# KiCad board AMC_FMC_Carrier-PcbDoc.kicad_pcb (continued)
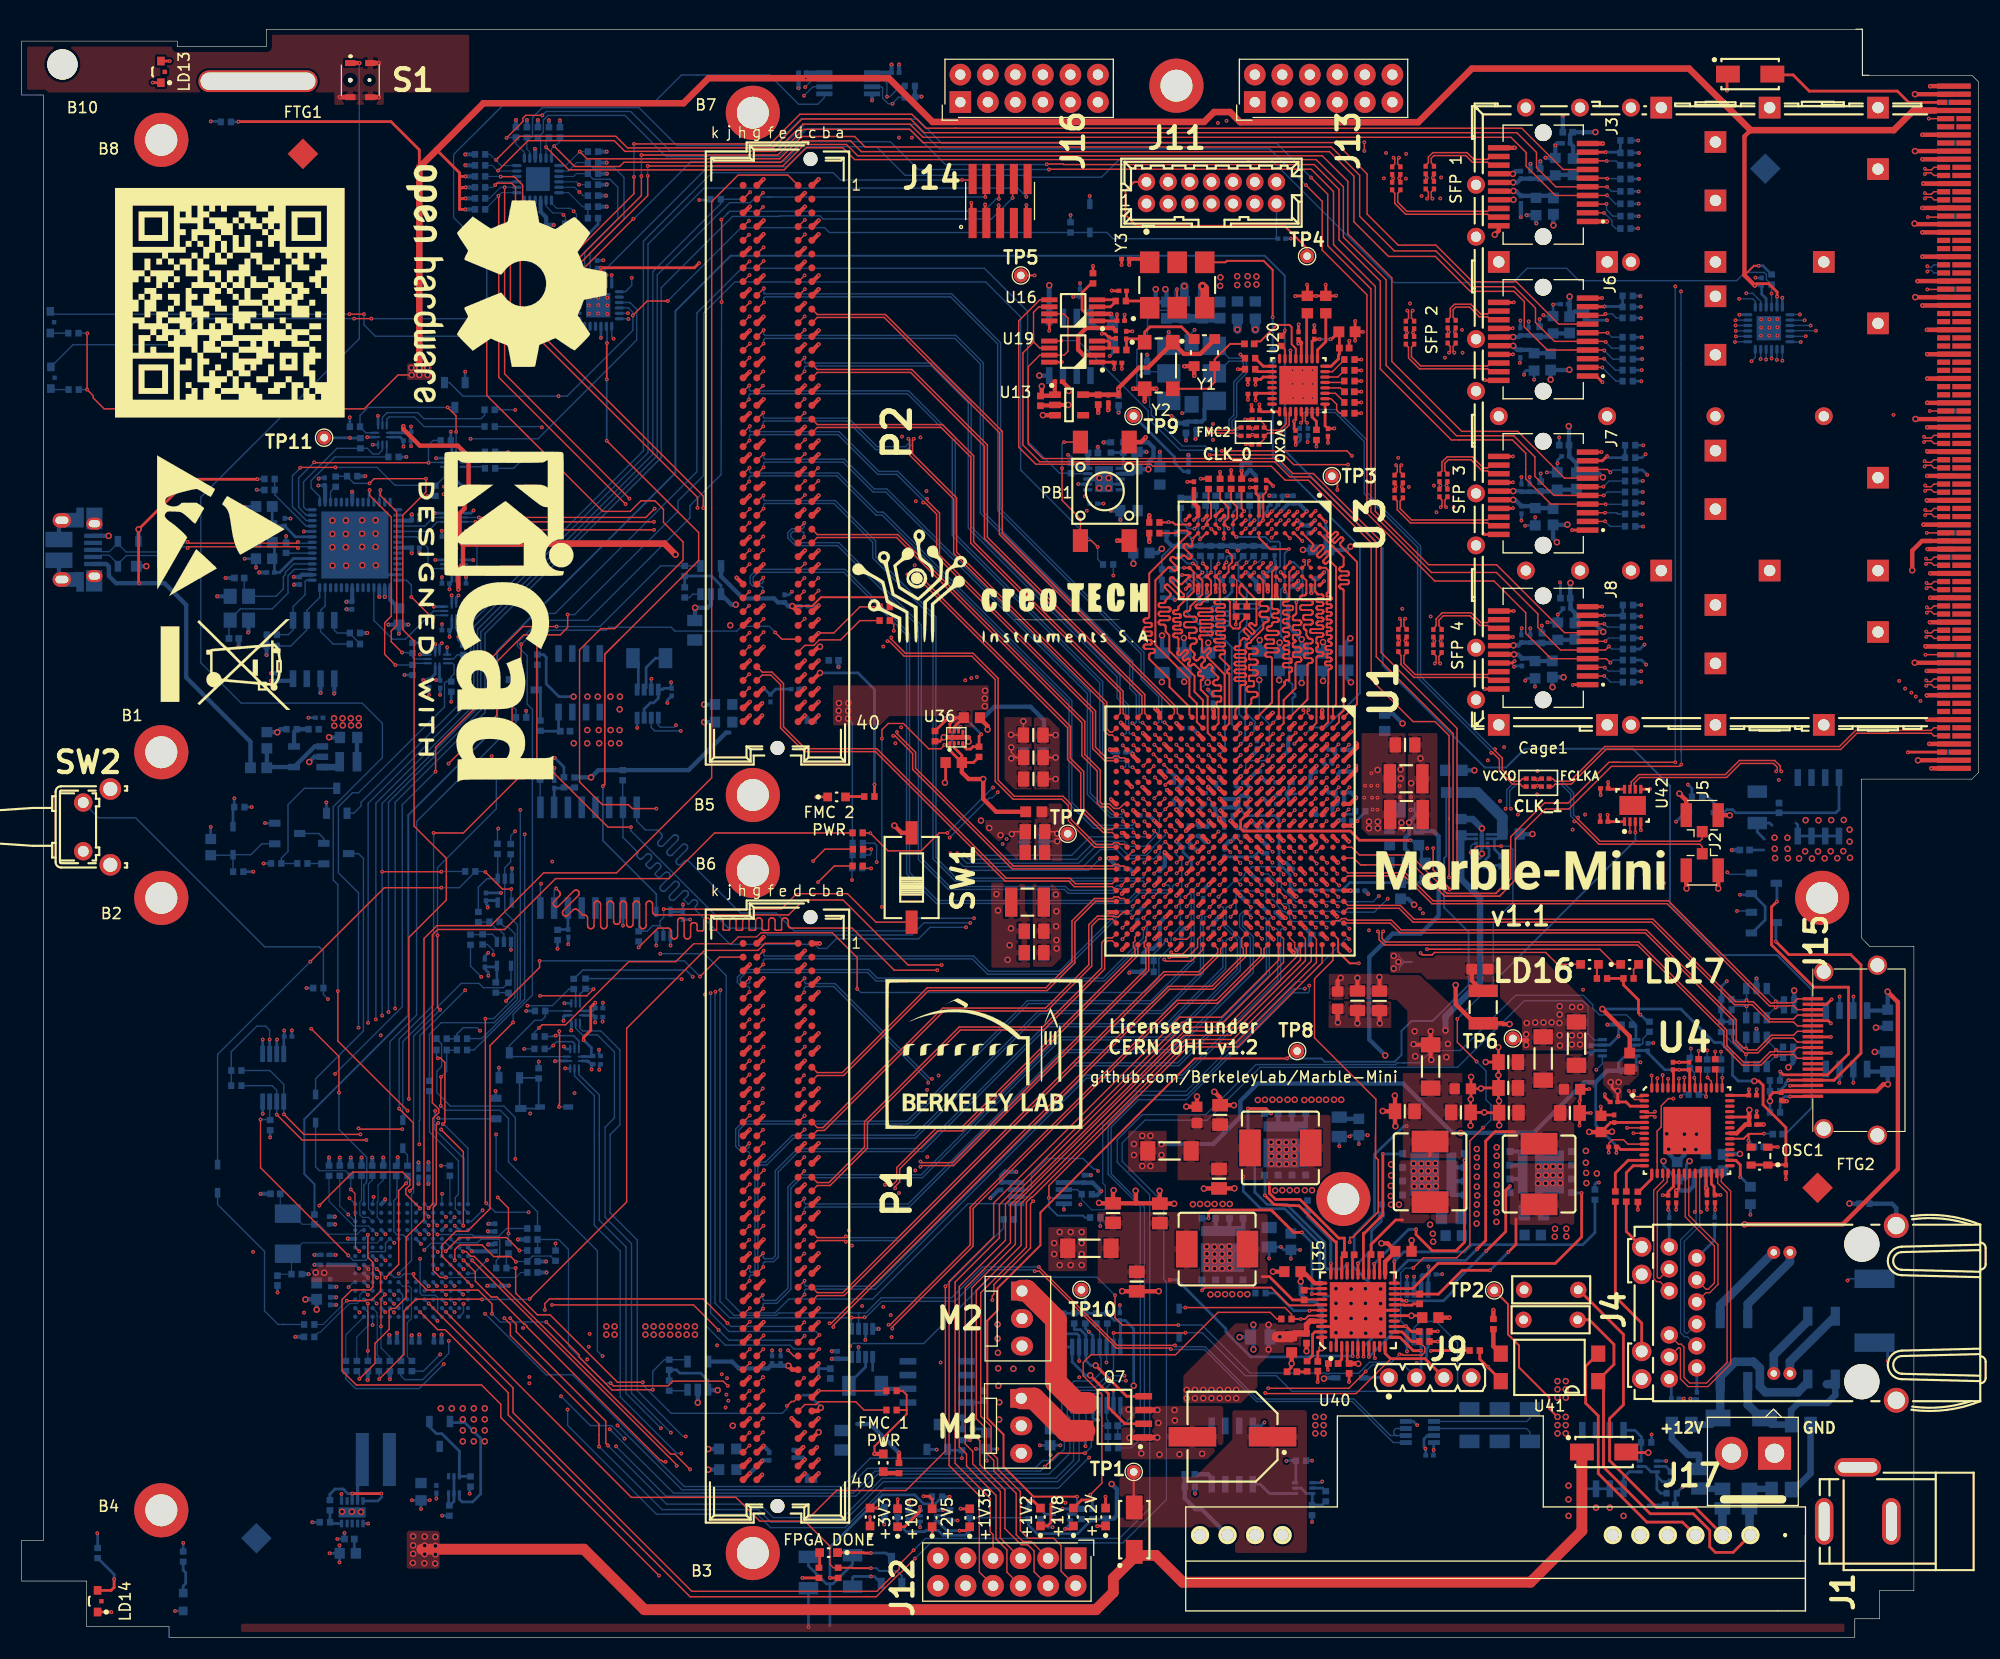
[diagram p0: board, top side]
## Placement (name value [footprint] x y rotation side) (continued)
R175  R0402_10K_1%_0.0625W_100PPM  [RESC1005X40N]  96.14 29.45 270 bottom
R176  R0402_10K_1%_0.0625W_100PPM  [RESC1005X40N]  97.15 29.45 270 bottom
R177  R0402_10K_1%_0.0625W_100PPM  [RESC1005X40N]  98.17 29.45 270 bottom
R178  R0402_10K_1%_0.0625W_100PPM  [RESC1005X40N]  22.94 47.31 90 bottom
R179  R0402_1K_1%_0.0625W_100PPM  [RESC1005X40N]  134.11 26.48 0 top
R180  R0402_47K_1%_0.0625W_100PPM  [RESC1005X40N]  41.43 14.39 270 bottom
R181  R0402_47K_1%_0.0625W_100PPM  [RESC1005X40N]  119.1 11.75 270 bottom
R182  R1206_0R082_1%_0.5W_100PPM  [RESC3216X80N]  77.85 23.23 180 bottom
R183  R1206_0R082_1%_0.5W_100PPM  [RESC3216X80N]  57.92 90.42 0 bottom
R184  R0402_1K_1%_0.0625W_100PPM  [RESC1005X40N]  120.37 13.02 90 bottom
R185  R0402_0R_JUMPER  [RESC1005X40N]  148.23 117.02 180 bottom
R186  R0402_10K_1%_0.0625W_100PPM  [RESC1005X40N]  148.26 93.29 180 bottom
R187  R0402_0R_JUMPER  [RESC1005X40N]  148.26 89.23 180 bottom
R188  R0402_10K_1%_0.0625W_100PPM  [RESC1005X40N]  86.79 17.74 90 bottom
R189  R0402_0R_JUMPER  [RESC1005X40N]  84.3 83.22 270 top
R190  R0402_0R_JUMPER  [RESC1005X40N]  114.35 31.79 0 bottom
R191  R0402_0R_JUMPER  [RESC1005X40N]  118.69 39.87 270 bottom
R192  R0402_0R_JUMPER  [RESC1005X40N]  125.5 39.51 270 bottom
R193  R0402_0R_JUMPER  [RESC1005X40N]  118.64 25.03 90 top
R194  R0402_0R_JUMPER  [RESC1005X40N]  145.21 40.88 270 bottom
R195  R0402_0R_JUMPER  [RESC1005X40N]  136.6 71.67 270 bottom
R196  R0402_0R_JUMPER  [RESC1005X40N]  134.67 71.28 180 bottom
R197  R0402_0R_JUMPER  [RESC1005X40N]  107.8 15.05 180 bottom
R198  R0402_0R_JUMPER  [RESC1005X40N]  107.82 13.91 0 bottom
R199  R0402_2K2_1%_0.0625W_100PPM  [RESC1005X40N]  161.52 125.39 270 bottom
R200  R0402_0R_JUMPER  [RESC1005X40N]  28.98 106.72 270 bottom
R201  R0402_10K_1%_0.0625W_100PPM  [RESC1005X40N]  46.1 84.95 0 bottom
R202  R0402_10K_1%_0.0625W_100PPM  [RESC1005X40N]  87.3 19.24 180 bottom
R203  R0402_10K_1%_0.0625W_100PPM  [RESC1005X40N]  47.6 90.28 270 bottom
R204  R0402_10K_1%_0.0625W_100PPM  [RESC1005X40N]  30.76 111.8 0 bottom
R205  R0402_10K_1%_0.0625W_100PPM  [RESC1005X40N]  64.06 132.8 0 bottom
R206  R0402_51R_1%_0.0625W_100PPM  [RESC1005X40N]  156.87 56.37 270 bottom
R207  R0402_51R_1%_0.0625W_100PPM  [RESC1005X40N]  157.83 56.38 270 bottom
R208  R0402_51R_1%_0.0625W_100PPM  [RESC1005X40N]  157.35 57.95 0 bottom
R209  R0402_0R_JUMPER  [RESC1005X40N]  56.95 64.73 90 bottom
R210  R0402_0R_JUMPER  [RESC1005X40N]  47.85 79.67 270 bottom
R211  R0402_51R_1%_0.0625W_100PPM  [RESC1005X40N]  157.35 58.93 0 bottom
R212  R0402_82K_1%_0.0625W_100PPM  [RESC1005X40N]  118.08 16.32 0 bottom
R213  R0402_10K_1%_0.0625W_100PPM  [RESC1005X40N]  87.3 20.28 0 bottom
R214  R0402_10K_1%_0.0625W_100PPM  [RESC1005X40N]  47.88 84.19 270 bottom
R215  R0402_0R_JUMPER  [RESC1005X40N]  50.95 60.34 270 bottom
R216  R0402_0R_JUMPER  [RESC1005X40N]  47.8 54.34 0 bottom
R217  R0402_2K2_1%_0.0625W_100PPM  [RESC1005X40N]  161.82 51.42 0 bottom
R218  R0402_2K2_1%_0.0625W_100PPM  [RESC1005X40N]  161.84 50.43 0 bottom
R219  R0402_51R_1%_0.0625W_100PPM  [RESC1005X40N]  163.13 57.92 180 bottom
R220  R0402_2K2_1%_0.0625W_100PPM  [RESC1005X40N]  161.84 48.49 0 bottom
R221  R0402_1K_1%_0.0625W_100PPM  [RESC1005X40N]  104.01 62.47 0 bottom
R222  R0402_1K_1%_0.0625W_100PPM  [RESC1005X40N]  104.01 61.45 180 bottom
R223  R0402_2K2_1%_0.0625W_100PPM  [RESC1005X40N]  55.47 79.62 270 bottom
R224  R0402_0R_JUMPER  [RESC1005X40N]  50.05 78.96 270 bottom
R225  R0402_0R_JUMPER  [RESC1005X40N]  51.04 78.94 270 bottom
R226  R0402_51R_1%_0.0625W_100PPM  [RESC1005X40N]  163.13 58.89 180 bottom
R227  R0402_0R_JUMPER  [RESC1005X40N]  49.47 64.86 90 bottom
R228  R0402_0R_JUMPER  [RESC1005X40N]  47.8 55.49 0 bottom
R229  R0402_0R_JUMPER  [RESC1005X40N]  52.04 60.36 270 bottom
R230  R0402_0R_JUMPER  [RESC1005X40N]  43.23 107.95 0 bottom
R231  R0402_0R_JUMPER  [RESC1005X40N]  43.23 109.47 0 bottom
R232  R0402_0R_JUMPER  [RESC1005X40N]  43.19 111.81 0 bottom
R233  R0402_0R_JUMPER  [RESC1005X40N]  43.19 113.36 0 bottom
R234  R0402_10K_1%_0.0625W_100PPM  [RESC1005X40N]  43.76 60.01 270 bottom
R235  R0402_10K_1%_0.0625W_100PPM  [RESC1005X40N]  80.97 15.63 270 top
R236  R0402_10K_1%_0.0625W_100PPM  [RESC1005X40N]  78.24 77.64 180 top
R237  R0402_0R_JUMPER  [RESC1005X40N]  41.43 64.43 90 bottom
R238  R0402_0R_JUMPER  [RESC1005X40N]  42.15 66.52 270 bottom
R239  R0402_0R_JUMPER  [RESC1005X40N]  38.76 55.28 180 bottom
R240  R0402_0R_JUMPER  [RESC1005X40N]  38.76 54.24 180 bottom
R241  R0402_0R_JUMPER  [RESC1005X40N]  40.64 55.28 180 bottom
R242  R0402_0R_JUMPER  [RESC1005X40N]  40.64 54.24 180 bottom
R243  R1206_1M_1%_0.25W_100PPM  [RESC3216X65N]  76.69 6.13 90 bottom
R244  R1206_1M_1%_0.25W_100PPM  [RESC3216X65N]  72.62 5.98 270 bottom
R245  R0402_1K_1%_0.0625W_100PPM  [RESC1005X40N]  116.74 29.4 180 top
R246  R0402_10K_1%_0.0625W_100PPM  [RESC1005X40N]  47.71 52.08 270 bottom
R247  R0402_10K_1%_0.0625W_100PPM  [RESC1005X40N]  85.7 11.26 90 bottom
R248  R0402_1K_1%_0.0625W_100PPM  [RESC1005X40N]  79.63 11.57 90 bottom
R249  R0402_10K_1%_0.0625W_100PPM  [RESC1005X40N]  80.85 11.57 90 bottom
R250  R0402_10K_1%_0.0625W_100PPM  [RESC1005X40N]  81.89 11.29 270 bottom
R251  R0402_1K_1%_0.0625W_100PPM  [RESC1005X40N]  84.48 12.99 180 bottom
R252  R0402_10K_1%_0.0625W_100PPM  [RESC1005X40N]  87.48 11.52 90 bottom
R253  R0402_10K_1%_0.0625W_100PPM  [RESC1005X40N]  97.81 11.39 270 bottom
R254  R0402_10K_1%_0.0625W_100PPM  [RESC1005X40N]  92.93 11.38 90 bottom
R255  R0402_10K_1%_0.0625W_100PPM  [RESC1005X40N]  94.03 11.37 90 bottom
R256  R0402_10K_1%_0.0625W_100PPM  [RESC1005X40N]  98.83 11.39 90 bottom
R257  R0402_10K_1%_0.0625W_100PPM  [RESC1005X40N]  100.1 11.44 90 bottom
R258  R0402_10K_1%_0.0625W_100PPM  [RESC1005X40N]  61.2 98.48 90 bottom
R259  R0402_1K_1%_0.0625W_100PPM  [RESC1005X40N]  61.2 96.49 270 bottom
R260  R0402_10K_1%_0.0625W_100PPM  [RESC1005X40N]  59.77 25.17 90 bottom
R261  R0402_1K_1%_0.0625W_100PPM  [RESC1005X40N]  59.77 23.24 270 bottom
R262  R0402_10K_1%_0.0625W_100PPM  [RESC1005X40N]  150.24 56.39 270 bottom
R263  R0402_10K_1%_0.0625W_100PPM  [RESC1005X40N]  27.38 59.96 0 bottom
R264  R0402_1K_1%_0.0625W_100PPM  [RESC1005X40N]  4.8 115.23 180 bottom
R265  R0402_1K_1%_0.0625W_100PPM  [RESC1005X40N]  4.77 120.43 180 bottom
R266  R0402_1K_1%_0.0625W_100PPM  [RESC1005X40N]  18.85 139.94 180 bottom
R267  R0402_1K_1%_0.0625W_100PPM  [RESC1005X40N]  7.01 7.78 270 bottom
R268  R0402_1K_1%_0.0625W_100PPM  [RESC1005X40N]  14.91 7.45 270 bottom
R269  R0402_82K_1%_0.0625W_100PPM  [RESC1005X40N]  25.91 71.46 0 bottom
R270  R0402_10K_1%_0.0625W_100PPM  [RESC1005X40N]  19.99 70.7 180 bottom
R271  R0402_10K_1%_0.0625W_100PPM  [RESC1005X40N]  23.49 71.46 180 bottom
R272  R0402_10K_1%_0.0625W_100PPM  [RESC1005X40N]  20.09 76.67 180 bottom
R273  R0402_47K_1%_0.0625W_100PPM  [RESC1005X40N]  40.77 91.2 270 bottom
R274  R0402_0R_JUMPER  [RESC1005X40N]  52.73 131.05 180 bottom
R275  R0402_0R_JUMPER  [RESC1005X40N]  37.64 50.91 270 bottom
R276  R0402_10K_1%_0.0625W_100PPM  [RESC1005X40N]  41.4 70.73 0 bottom
R277  R0402_0R_JUMPER  [RESC1005X40N]  42.54 64.45 90 bottom
R278  R0402_0R_JUMPER  [RESC1005X40N]  43.64 66.08 180 bottom
R279  R0402_0R_JUMPER  [RESC1005X40N]  43.92 72.81 270 bottom
R280  R0402_0R_JUMPER  [RESC1005X40N]  45.14 72.78 270 bottom
R281  R0402_0R_JUMPER  [RESC1005X40N]  135.84 28.93 90 top
R282  R0402_5K1_1%_0.0625W_100PPM  [RESC1005X40N]  77.16 73.34 180 bottom
R283  R0402_1K_1%_0.0625W_100PPM  [RESC1005X40N]  77.14 74.31 0 bottom
R284  R0402_1K_1%_0.0625W_100PPM  [RESC1005X40N]  77.16 72.25 180 bottom
R285  R0402_1K_1%_0.0625W_100PPM  [RESC1005X40N]  77.11 71.06 180 bottom
R286  R0402_0R_JUMPER  [RESC1005X40N]  77.16 74.28 180 top
R287  R0402_0R_JUMPER  [RESC1005X40N]  77.19 72.78 180 top
R288  R0402_0R_JUMPER  [RESC1005X40N]  77.16 71.23 180 top
R289  R0402_0R_JUMPER  [RESC1005X40N]  44.93 35.93 270 bottom
R290  R0402_0R_JUMPER  [RESC1005X40N]  44.27 34.1 180 bottom
R291  R0402_22R_1%_0.0625W_100PPM  [RESC1005X40N]  156.84 52.9 90 bottom
R292  R0402_22R_1%_0.0625W_100PPM  [RESC1005X40N]  154.33 50.13 180 bottom
R293  R0402_22R_1%_0.0625W_100PPM  [RESC1005X40N]  156.31 52.92 90 top
R294  R0402_22R_1%_0.0625W_100PPM  [RESC1005X40N]  155.57 52.9 90 bottom
R295  R0402_22R_1%_0.0625W_100PPM  [RESC1005X40N]  154.79 52.92 90 top
R296  R0402_22R_1%_0.0625W_100PPM  [RESC1005X40N]  153.97 53.05 90 bottom
R297  R0402_240R_1%_0.0625W_100PPM  [RESC1005X40N]  80.29 22.77 180 top
R298  R0402_240R_1%_0.0625W_100PPM  [RESC1005X40N]  80.29 20.99 180 top
R299  R0402_240R_1%_0.0625W_100PPM  [RESC1005X40N]  79.65 95.16 180 top
R300  R0402_240R_1%_0.0625W_100PPM  [RESC1005X40N]  79.65 93.89 180 top
R301  R1206_0R082_1%_0.5W_100PPM  [RESC3216X80N]  139.22 19.6 90 bottom
R302  R1206_0R082_1%_0.5W_100PPM  [RESC3216X80N]  136.42 19.6 90 bottom
R303  R1206_0R082_1%_0.5W_100PPM  [RESC3216X80N]  133.63 19.6 90 bottom
R304  R0402_2K2_1%_0.0625W_100PPM  [RESC1005X40N]  81.98 142.21 180 bottom
R305  R0402_2K2_1%_0.0625W_100PPM  [RESC1005X40N]  81.98 143.26 180 bottom
R306  R0402_1K_1%_0.0625W_100PPM  [RESC1005X40N]  145.86 60.85 180 top
R307  R0402_1K_1%_0.0625W_100PPM  [RESC1005X40N]  148.31 60.85 0 top
R308  R0402_10K_1%_0.0625W_100PPM  [RESC1005X40N]  103.89 117.34 270 bottom
R309  R0402_2K2_1%_0.0625W_100PPM  [RESC1005X40N]  19.81 50.95 0 bottom
R310  R0402_2K2_1%_0.0625W_100PPM  [RESC1005X40N]  19.81 52.35 0 bottom
R311  R0402_2K2_1%_0.0625W_100PPM  [RESC1005X40N]  99.08 38.76 180 bottom
R312  R0402_2K2_1%_0.0625W_100PPM  [RESC1005X40N]  98.31 40.92 180 bottom
R313  R0402_0R_JUMPER  [RESC1005X40N]  91.09 38.59 180 bottom
REF**  -  [ESD-Logo_13.2x12mm_SilkScreen]  18.41 102.65 270 top
REF**#2  -  [KiCad-Logo2_12mm_SilkScreen]  45.01 94.25 270 top
REF**#3  -  [OSHW-Logo2_24.3x20mm_SilkScreen]  44.75 125.01 270 top
REF**#4  -  [WEEE-Logo_8.4x12mm_SilkScreen]  18.81 89.85 270 top
REF**#5  -  [KiCad-Logo2_8mm_SilkScreen]  132.61 13.4 180 bottom
REF**#6  -  [OSHW-Logo2_14.6x12mm_SilkScreen]  11.28 52.36 90 bottom
REF**#7  -  [WEEE-Logo_8.4x12mm_SilkScreen]  147.01 68.9 180 bottom
REF**#8  -  [ESD-Logo_13.2x12mm_SilkScreen]  10.01 88.12 90 bottom
REF**#9  -  [ESD-Logo_13.2x12mm_SilkScreen]  125.35 131.03 180 bottom
S1  -  [HDT0001]  31.25 143.8 0 top
SW1  SW_DIP_x01  [SW_OMRON_A6SN-1101]  82.14 70.17 90 top
SW2  SKHHLQA010  [PB_ALPS_SKHHLQA010]  6.93 74.84 0 top
SW3  -  [KSS241GLFS]  171.02 30.16 90 bottom
TP1  TestPoint  [TestPoint_Pad_D1.0mm]  102.64 15.28 0 top
TP2  TestPoint  [TestPoint_Pad_D1.0mm]  135.91 32.04 0 top
TP3  TestPoint  [TestPoint_Pad_D1.0mm]  120.93 107.23 0 top
TP4  TestPoint  [TestPoint_Pad_D1.0mm]  118.64 127.55 0 top
TP5  TestPoint  [TestPoint_Pad_D1.0mm]  92.23 125.77 0 top
TP6  TestPoint  [TestPoint_Pad_D1.0mm]  137.64 55.31 0 top
TP7  TestPoint  [TestPoint_Pad_D1.0mm]  96.54 74.21 0 top
TP8  TestPoint  [TestPoint_Pad_D1.0mm]  117.73 54.14 0 top
TP9  TestPoint  [TestPoint_Pad_D1.0mm]  102.63 112.79 0 top
TP10  TestPoint  [TestPoint_Pad_D1.0mm]  97.81 32.09 0 top
TP11  TestPoint  [TestPoint_Pad_D1.0mm]  27.91 110.78 0 top
U1  XC7A100T-2FGG484C  [BGA484C100P22X22_2300X2300X240]  111.53 74.46 270 top
U2  LPC1776FET180,551  [BGA180C80P14X14_1200X1200X120]  35.99 34.81 0 bottom
U3  MT41K512M16HA-125_E  [BGA96C80P9X16_900X1400X120]  113.79 100.37 270 top
U4  88E1512-XX-NNP2I000  [QFN50P800X800X100-57N-S437]  153.71 46.8 0 top
U5  TCA9548ARGER  [QFN50P400X400X100-25N-S220]  47.65 134.66 0 bottom
U6  TXS0102DCUR  [SOP50P310X90-8N]  147.45 54.44 0 bottom
U7  NC7SZ66P5X  [SOT65P210X110-5N]  44.59 68.96 270 bottom
U8  SN74AVC2T245RSWR  [QFN40P140X180X55-10N]  51.13 57.64 0 bottom
U9  SN74AVC2T245RSWR  [QFN40P140X180X55-10N]  51.03 53.43 0 bottom
U10  NC7SZ66P5X  [SOT65P210X110-5N]  44.51 63.12 270 bottom
U11  SN74LVC1G125DCKT  [SOT65P210X110-5N]  59.23 65.9 90 bottom
U12  MC78L05ACDR2G  [SOIC127P600X175-8N]  168.43 55.18 90 bottom
U13  LP5951MF-3.0/NOPB  [SOT95P284X122-5N]  96.67 113.8 0 top
U14  LM336M-2.5  [SOIC127P600X175-8N]  96.75 119.21 90 bottom
U15  SN74AVC2T245RSWR  [QFN40P140X180X55-10N]  39.9 99.1 270 bottom
U16  AD5662BRMZ-1  [SOP65P490X110-8N]  97.05 122.54 180 top
U17  INA219BIDCNT  [SOT65P280X145-8N]  77.57 27.19 90 bottom
U18  TPS62175DQC  [SON50P200X300X80-11N-R94X250]  30.5 11.54 90 bottom
U19  AD5662BRMZ-1  [SOP65P490X110-8N]  97.05 118.73 180 top
U20  CDCM61004RHBT  [QFN50P500X500X100-33N-S355]  117.86 115.63 90 top
U21  93LC56B-I/SN  [SOIC127P600X175-8N]  26.95 91.22 270 bottom
U22  TLV62565DBVT  [SOT95P280X145-5N]  26.44 81.32 180 bottom
U23  FT4232H-56Q  [QFN50P800X800X100-57N-S620]  30.76 100.88 0 bottom
U24  SN74AVC2T245RSWR  [QFN40P140X180X55-10N]  38.37 90.35 270 bottom
U25  SN74AVC2T245RSWR  [QFN40P140X180X55-10N]  39.9 94.78 270 bottom
U26  SN74AVC2T245RSWR  [QFN40P140X180X55-10N]  39.9 108.5 270 bottom
U27  MAX6639AEE+  [SOP63P600X175-16N]  99.19 24.12 270 bottom
U28  LM75AIMM/NOPB  [SOP65P490X109-8N]  23.21 51.68 90 bottom
U29  LM75AIMM/NOPB  [SOP65P490X109-8N]  128.84 29.91 90 bottom
U30  S25FL128SAGMFIR01  [SOIC127P1030X265-16N]  52.32 72 270 bottom
U31  TPS51200DRC  [TEXAS_DRC(S-PVSON-N10)]  99.9 106.96 180 bottom
U32  INA219BIDCNT  [SOT65P280X145-8N]  57.78 86.22 270 bottom
U33  SN74AVC2T245RSWR  [QFN40P140X180X55-10N]  33.3 111.04 0 bottom
U34  PCA9555AHF  [QFN50P400X400X80-25N-S225]  161.26 120.89 180 bottom
U35  XRP7724ILB-F  [QFN50P700X700X80-45N-S520]  123.34 30.21 90 top
U36  NCP186AMX180TAG  [SOIC-8]  86.27 83.11 0 top
U37  NCP186AMX120TAG  [SOIC-8]  134.77 73.55 270 bottom
U38  SN74AVC2T245RSWR  [QFN40P140X180X55-10N]  39.9 103.42 270 bottom
U39  PCA9555AHF  [QFN50P400X400X80-25N-S225]  53.21 123.02 180 bottom
U40  -  [AG5300]  134.54 11.44 180 top
U41  FOD817DSD  [FAIRCHILD_FOD817DSD]  141.02 24.93 180 top
U42  SN65MLVD2DRBT  [SON50P300X300X80-9N-R175X248]  148.69 76.82 90 top
U43  INA219BIDCNT  [SOT65P280X145-8N]  129.06 18.96 180 bottom
U44  MIC2090-1YM5TR  [SOT95P280X145-5N]  63.6 97.62 90 bottom
U45  MIC2090-1YM5TR  [SOT95P280X145-5N]  62.41 24.17 90 bottom
U46  TCA9517DGKR  [SOP65P490X110-8N]  76.29 143.51 180 bottom
U47  TCA9517DGKR  [SOP65P490X110-8N]  93.99 41.02 180 bottom
Y1  OSC_25MHZ_RAKON_IVT3205CR  [OSC_ABRACON_ASEMPC]  109.17 118.64 0 top
Y2  VM53S3-25.000-2.5/-30+75  [OSCCC320X500X160-4N]  104.95 117.45 0 top
Y3  OSC_20MHZ_IQD_LFVCXO026156  [OSC_IQD_CFPV-45]  106.65 124.88 90 top
Y4  XTAL_12MHZ_TXC_7M-12.000MAAJ-T  [XTAL_TXC_7M]  20.09 95.03 180 bottom
Y5  XTAL_8MHZ_TXC_7A-8.000MAAE-T  [XTAL_TXC_7A]  24.56 37.27 270 bottom
Y6  OSC_10-280MHZ_SILICON-LAB_Si570BBC000121DG  [OSC_SILICON-LAB_SI570]  107.98 116.72 0 bottom

## Footprints (pads in the part's own frame, mm; a bottom-side part is the same pattern mirrored in y, then rotated)
641119-2
  rect 3.048x3.048 hole 1.778: 1(-1.981,-0.75)
  round 3.048 hole 1.778: 2(2,-0.75)
10029449-111RLF
  rect 0.3x1.9 smd: 1(4.75,0) 2(4.25,0) 3(3.75,0) 4(3.25,0) 5(2.75,0) 6(2.25,0) 7(1.75,0) 8(1.25,0) 9(0.75,0) 10(0.25,0) 11(-0.25,0) 12(-0.75,0) 13(-1.25,0) 14(-1.75,0) 15(-2.25,0) 16(-2.75,0) 17(-3.25,0) 18(-3.75,0) 19(-4.25,0)
  round 1.778 hole 1.3: 20(-7.85,-5.95) 20(-7.25,-1) 20(7.25,-1) 20(7.85,-5.95)
AG5300
  round 1.68 hole 1.12: 1(-25.02,2) 2(-22.48,2) 3(-19.94,2) 4(-17.4,2) 5(-14.86,2) 6(-12.32,2) 7(18.16,2) 8(20.7,2) 9(23.24,2) 10(25.78,2)
AMC-GF-2D-750-O274
  rect 3.1x0.48 smd far side: 1(0,-31.5) 2(0,-30.75) 4(0,-29.25) 7(0,-27) 9(0,-25.5) 10(0,-24.75) 13(0,-22.5) 16(0,-20.25) 18(0,-18.75) 19(0,-18) 22(0,-15.75) 25(0,-13.5) 27(0,-12) 28(0,-11.25) 31(0,-9) 34(0,-6.75) 37(0,-4.5) 40(0,-2.25) 42(0,-0.75) 43(0,0) 46(0,2.25) 49(0,4.5) 52(0,6.75) 55(0,9) 57(0,10.5) 58(0,11.25) 61(0,13.5) 64(0,15.75) 67(0,18) 70(0,20.25) 72(0,21.75) 73(0,22.5) 76(0,24.75) 79(0,27) 82(0,29.25) 84(0,30.75) 85(0,31.5)
  rect 0.9x0.48 smd far side: 3(-1.1,-30) 83(-1.1,30)
  rect 1.575x0.48 smd far side: 5(-0.762,-28.5) 6(-0.762,-27.75) 8(-0.762,-26.25) 17(-0.762,-19.5) 26(-0.762,-12.75) 41(-0.762,-1.5) 56(-0.762,9.75) 71(-0.762,21)
  rect 1.2x0.48 smd far side: 11(-0.95,-24) 12(-0.95,-23.25) 14(-0.95,-21.75) 15(-0.95,-21) 20(-0.95,-17.25) 21(-0.95,-16.5) 23(-0.95,-15) 24(-0.95,-14.25) 29(-0.95,-10.5) 30(-0.95,-9.75) 32(-0.95,-8.25) 33(-0.95,-7.5) 35(-0.95,-6) 36(-0.95,-5.25) 38(-0.95,-3.75) 39(-0.95,-3) 44(-0.95,0.75) 45(-0.95,1.5) 47(-0.95,3) 48(-0.95,3.75) 50(-0.95,5.25) 51(-0.95,6) 53(-0.95,7.5) 54(-0.95,8.25) 59(-0.95,12) 60(-0.95,12.75) 62(-0.95,14.25) 63(-0.95,15) 65(-0.95,16.5) 66(-0.95,17.25) 68(-0.95,18.75) 69(-0.95,19.5) 74(-0.95,23.25) 75(-0.95,24) 77(-0.95,25.5) 78(-0.95,26.25) 80(-0.95,27.75) 81(-0.95,28.5)
  rect 3.1x0.48 smd: 86(0,31.5) 89(0,29.25) 92(0,27) 95(0,24.75) 98(0,22.5) 101(0,20.25) 104(0,18) 107(0,15.75) 110(0,13.5) 112(0,12) 113(0,11.25) 116(0,9) 119(0,6.75) 122(0,4.5) 125(0,2.25) 128(0,0) 131(0,-2.25) 134(0,-4.5) 137(0,-6.75) 140(0,-9) 143(0,-11.25) 146(0,-13.5) 149(0,-15.75) 152(0,-18) 155(0,-20.25) 158(0,-22.5) 161(0,-24.75) 164(0,-27) 170(0,-31.5)
  rect 1.2x0.48 smd: 87(-0.95,30.75) 88(-0.95,30) 90(-0.95,28.5) 91(-0.95,27.75) 93(-0.95,26.25) 94(-0.95,25.5) 96(-0.95,24) 97(-0.95,23.25) 99(-0.95,21.75) 100(-0.95,21) 102(-0.95,19.5) 103(-0.95,18.75) 105(-0.95,17.25) 106(-0.95,16.5) 108(-0.95,15) 109(-0.95,14.25) 111(-0.95,12.75) 114(-0.95,10.5) 115(-0.95,9.75) 117(-0.95,8.25) 118(-0.95,7.5) 120(-0.95,6) 121(-0.95,5.25) 123(-0.95,3.75) 124(-0.95,3) 126(-0.95,1.5) 127(-0.95,0.75) 129(-0.95,-0.75) 130(-0.95,-1.5) 132(-0.95,-3) 133(-0.95,-3.75) 135(-0.95,-5.25) 136(-0.95,-6) 138(-0.95,-7.5) 139(-0.95,-8.25) 141(-0.95,-9.75) 142(-0.95,-10.5) 144(-0.95,-12) 145(-0.95,-12.75) 147(-0.95,-14.25) 148(-0.95,-15) 150(-0.95,-16.5) 151(-0.95,-17.25) 153(-0.95,-18.75) 154(-0.95,-19.5) 156(-0.95,-21) 157(-0.95,-21.75) 159(-0.95,-23.25) 160(-0.95,-24) 162(-0.95,-25.5) 163(-0.95,-26.25)
  rect 1.575x0.48 smd: 165(-0.762,-27.75) 166(-0.762,-28.5) 167(-0.762,-29.25) 168(-0.762,-30) 169(-0.762,-30.75)
  rect 1.325x0.48 smd far side: 171(0.887,-1.5) 173(0.887,-12.75) 178(0.887,-19.5) 183(0.887,-26.25) 184(0.887,-27.75) 185(0.887,-28.5) 204(0.887,21) 218(0.887,9.75)
  rect 1.7x0.48 smd far side: 172(0.7,-10.5) 174(0.7,-14.25) 175(0.7,-15) 176(0.7,-16.5) 177(0.7,-17.25) 179(0.7,-21) 180(0.7,-21.75) 181(0.7,-23.25) 182(0.7,-24) 186(0.7,-3) 187(0.7,-3.75) 189(0.7,-5.25) 190(0.7,-6) 191(0.7,-7.5) 192(0.7,-8.25) 193(0.7,-9.75) 194(0.7,0.75) 195(0.7,1.5) 196(0.7,12) 197(0.7,12.75) 198(0.7,14.25) 199(0.7,15) 200(0.7,16.5) 201(0.7,17.25) 202(0.7,18.75) 203(0.7,19.5) 205(0.7,23.25) 206(0.7,24) 207(0.7,25.5) 208(0.7,26.25) 209(0.7,27.75) 210(0.7,28.5) 211(0.7,3) 212(0.7,3.75) 214(0.7,5.25) 215(0.7,6) 216(0.7,7.5) 217(0.7,8.25)
  rect 2x0.48 smd far side: 188(0.55,-30) 213(0.55,30)
  rect 1.7x0.48 smd: 219(0.7,-0.75) 220(0.7,-1.5) 221(0.7,-10.5) 222(0.7,-12) 223(0.7,-12.75) 224(0.7,-14.25) 225(0.7,-15) 226(0.7,-16.5) 227(0.7,-17.25) 228(0.7,-18.75) 229(0.7,-19.5) 230(0.7,-21) 231(0.7,-21.75) 232(0.7,-23.25) 233(0.7,-24) 234(0.7,-25.5) 235(0.7,-26.25) 239(0.7,-3) 240(0.7,-3.75) 243(0.7,-5.25) 244(0.7,-6) 245(0.7,-7.5) 246(0.7,-8.25) 247(0.7,-9.75) 248(0.7,0.75) 249(0.7,1.5) 250(0.7,10.5) 251(0.7,12.75) 252(0.7,14.25) 253(0.7,15) 254(0.7,16.5) 255(0.7,17.25) 256(0.7,18.75) 257(0.7,19.5) 258(0.7,21) 259(0.7,21.75) 260(0.7,23.25) 261(0.7,24) 262(0.7,25.5) 263(0.7,26.25) 264(0.7,27.75) 265(0.7,28.5) 266(0.7,3) 267(0.7,3.75) 268(0.7,30) 269(0.7,30.75) 270(0.7,5.25) 271(0.7,6) 272(0.7,7.5) 273(0.7,8.25) 274(0.7,9.75)
  rect 1.325x0.48 smd: 236(0.887,-27.75) 237(0.887,-28.5) 238(0.887,-29.25) 241(0.887,-30) 242(0.887,-30.75)
BELFUSE_0826-1X1T-80-F
  round 3.25 hole 3.25 unplated: (-6.35,16.51) (6.35,16.51)
  round 1.6 hole 0.9: 1(-5.075,1.27) 2(-3.045,1.27) 3(-1.015,1.27) 4(1.016,1.27) 5(3.048,1.27) 6(5.08,1.27) 7(-6.095,-1.27) 8(-4.065,-1.27) 9(-2.035,-1.27) 10(2.032,-1.27) 11(4.064,-1.27) 12(6.096,-1.27)
  round 1.2 hole 0.6: 13(-5.59,8.38) 14(5.59,8.38) 15(-5.59,9.87) 16(5.59,9.87)
  round 1.8 hole 1.1: 17(-6.096,-3.81) 18(-3.556,-3.81) 19(3.556,-3.81) 20(6.096,-3.81)
  round 2.3 hole 1.6: 21(-8.065,19.685) 22(8.065,19.685)
BGA96C80P9X16_900X1400X120
  round 0.4 smd: A1(-3.2,6) A2(-2.4,6) A3(-1.6,6) A7(1.6,6) A8(2.4,6) A9(3.2,6) B1(-3.2,5.2) B2(-2.4,5.2) B3(-1.6,5.2) B7(1.6,5.2) B8(2.4,5.2) B9(3.2,5.2) C1(-3.2,4.4) C2(-2.4,4.4) C3(-1.6,4.4) C7(1.6,4.4) C8(2.4,4.4) C9(3.2,4.4) D1(-3.2,3.6) D2(-2.4,3.6) D3(-1.6,3.6) D7(1.6,3.6) D8(2.4,3.6) D9(3.2,3.6) E1(-3.2,2.8) E2(-2.4,2.8) E3(-1.6,2.8) E7(1.6,2.8) E8(2.4,2.8) E9(3.2,2.8) F1(-3.2,2) F2(-2.4,2) F3(-1.6,2) F7(1.6,2) F8(2.4,2) F9(3.2,2) G1(-3.2,1.2) G2(-2.4,1.2) G3(-1.6,1.2) G7(1.6,1.2) G8(2.4,1.2) G9(3.2,1.2) H1(-3.2,0.4) H2(-2.4,0.4) H3(-1.6,0.4) H7(1.6,0.4) H8(2.4,0.4) H9(3.2,0.4) J1(-3.2,-0.4) J2(-2.4,-0.4) J3(-1.6,-0.4) J7(1.6,-0.4) J8(2.4,-0.4) J9(3.2,-0.4) K1(-3.2,-1.2) K2(-2.4,-1.2) K3(-1.6,-1.2) K7(1.6,-1.2) K8(2.4,-1.2) K9(3.2,-1.2) L1(-3.2,-2) L2(-2.4,-2) L3(-1.6,-2) L7(1.6,-2) L8(2.4,-2) L9(3.2,-2) M1(-3.2,-2.8) M2(-2.4,-2.8) M3(-1.6,-2.8) M7(1.6,-2.8) M8(2.4,-2.8) M9(3.2,-2.8) N1(-3.2,-3.6) N2(-2.4,-3.6) N3(-1.6,-3.6) N7(1.6,-3.6) N8(2.4,-3.6) N9(3.2,-3.6) P1(-3.2,-4.4) P2(-2.4,-4.4) P3(-1.6,-4.4) P7(1.6,-4.4) P8(2.4,-4.4) P9(3.2,-4.4) R1(-3.2,-5.2) R2(-2.4,-5.2) R3(-1.6,-5.2) R7(1.6,-5.2) R8(2.4,-5.2) R9(3.2,-5.2) T1(-3.2,-6) T2(-2.4,-6) T3(-1.6,-6) T7(1.6,-6) T8(2.4,-6) T9(3.2,-6)
BGA180C80P14X14_1200X1200X120
  round 0.4 smd: A1(-5.2,5.2) A2(-4.4,5.2) A3(-3.6,5.2) A4(-2.8,5.2) A5(-2,5.2) A6(-1.2,5.2) A7(-0.4,5.2) A8(0.4,5.2) A9(1.2,5.2) A10(2,5.2) A11(2.8,5.2) A12(3.6,5.2) A13(4.4,5.2) A14(5.2,5.2) B1(-5.2,4.4) B2(-4.4,4.4) B3(-3.6,4.4) B4(-2.8,4.4) B5(-2,4.4) B6(-1.2,4.4) B7(-0.4,4.4) B8(0.4,4.4) B9(1.2,4.4) B10(2,4.4) B11(2.8,4.4) B12(3.6,4.4) B13(4.4,4.4) B14(5.2,4.4) C1(-5.2,3.6) C2(-4.4,3.6) C3(-3.6,3.6) C4(-2.8,3.6) C5(-2,3.6) C6(-1.2,3.6) C7(-0.4,3.6) C8(0.4,3.6) C9(1.2,3.6) C10(2,3.6) C11(2.8,3.6) C12(3.6,3.6) C13(4.4,3.6) C14(5.2,3.6) D1(-5.2,2.8) D2(-4.4,2.8) D3(-3.6,2.8) D4(-2.8,2.8) D5(-2,2.8) D6(-1.2,2.8) D7(-0.4,2.8) D8(0.4,2.8) D9(1.2,2.8) D10(2,2.8) D11(2.8,2.8) D12(3.6,2.8) D13(4.4,2.8) D14(5.2,2.8) E1(-5.2,2) E2(-4.4,2) E3(-3.6,2) E4(-2.8,2) E5(-2,2) E6(-1.2,2) E7(-0.4,2) E8(0.4,2) E9(1.2,2) E10(2,2) E11(2.8,2) E12(3.6,2) E13(4.4,2) E14(5.2,2) F1(-5.2,1.2) F2(-4.4,1.2) F3(-3.6,1.2) F4(-2.8,1.2) F5(-2,1.2) F10(2,1.2) F11(2.8,1.2) F12(3.6,1.2) F13(4.4,1.2) F14(5.2,1.2) G1(-5.2,0.4) G2(-4.4,0.4) G3(-3.6,0.4) G4(-2.8,0.4) G5(-2,0.4) G10(2,0.4) G11(2.8,0.4) G12(3.6,0.4) G13(4.4,0.4) G14(5.2,0.4) H1(-5.2,-0.4) H2(-4.4,-0.4) H3(-3.6,-0.4) H4(-2.8,-0.4) H5(-2,-0.4) H10(2,-0.4) H11(2.8,-0.4) H12(3.6,-0.4) H13(4.4,-0.4) H14(5.2,-0.4) J1(-5.2,-1.2) J2(-4.4,-1.2) J3(-3.6,-1.2) J4(-2.8,-1.2) J5(-2,-1.2) J10(2,-1.2) J11(2.8,-1.2) J12(3.6,-1.2) J13(4.4,-1.2) J14(5.2,-1.2) K1(-5.2,-2) K2(-4.4,-2) K3(-3.6,-2) K4(-2.8,-2) K5(-2,-2) K6(-1.2,-2) K7(-0.4,-2) K8(0.4,-2) K9(1.2,-2) K10(2,-2) K11(2.8,-2) K12(3.6,-2) K13(4.4,-2) K14(5.2,-2) L1(-5.2,-2.8) L2(-4.4,-2.8) L3(-3.6,-2.8) L4(-2.8,-2.8) L5(-2,-2.8) L6(-1.2,-2.8) L7(-0.4,-2.8) L8(0.4,-2.8) L9(1.2,-2.8) L10(2,-2.8) L11(2.8,-2.8) L12(3.6,-2.8) L13(4.4,-2.8) L14(5.2,-2.8) M1(-5.2,-3.6) M2(-4.4,-3.6) M3(-3.6,-3.6) M4(-2.8,-3.6) M5(-2,-3.6) M6(-1.2,-3.6) M7(-0.4,-3.6) M8(0.4,-3.6) M9(1.2,-3.6) M10(2,-3.6) M11(2.8,-3.6) M12(3.6,-3.6) M13(4.4,-3.6) M14(5.2,-3.6) N1(-5.2,-4.4) N2(-4.4,-4.4) N3(-3.6,-4.4) N4(-2.8,-4.4) N5(-2,-4.4) N6(-1.2,-4.4) N7(-0.4,-4.4) N8(0.4,-4.4) N9(1.2,-4.4) N10(2,-4.4) N11(2.8,-4.4) N12(3.6,-4.4) N13(4.4,-4.4) N14(5.2,-4.4) P1(-5.2,-5.2) P2(-4.4,-5.2) P3(-3.6,-5.2) P4(-2.8,-5.2) P5(-2,-5.2) P6(-1.2,-5.2) P7(-0.4,-5.2) P8(0.4,-5.2) P9(1.2,-5.2) P10(2,-5.2) P11(2.8,-5.2) P12(3.6,-5.2) P13(4.4,-5.2) P14(5.2,-5.2)
BGA484C100P22X22_2300X2300X240
  round 0.5 smd: A1(-10.5,10.5) A2(-9.5,10.5) A3(-8.5,10.5) A4(-7.5,10.5) A5(-6.5,10.5) A6(-5.5,10.5) A7(-4.5,10.5) A8(-3.5,10.5) A9(-2.5,10.5) A10(-1.5,10.5) A11(-0.5,10.5) A12(0.5,10.5) A13(1.5,10.5) A14(2.5,10.5) A15(3.5,10.5) A16(4.5,10.5) A17(5.5,10.5) A18(6.5,10.5) A19(7.5,10.5) A20(8.5,10.5) A21(9.5,10.5) A22(10.5,10.5) AA1(-10.5,-9.5) AA2(-9.5,-9.5) AA3(-8.5,-9.5) AA4(-7.5,-9.5) AA5(-6.5,-9.5) AA6(-5.5,-9.5) AA7(-4.5,-9.5) AA8(-3.5,-9.5) AA9(-2.5,-9.5) AA10(-1.5,-9.5) AA11(-0.5,-9.5) AA12(0.5,-9.5) AA13(1.5,-9.5) AA14(2.5,-9.5) AA15(3.5,-9.5) AA16(4.5,-9.5) AA17(5.5,-9.5) AA18(6.5,-9.5) AA19(7.5,-9.5) AA20(8.5,-9.5) AA21(9.5,-9.5) AA22(10.5,-9.5) AB1(-10.5,-10.5) AB2(-9.5,-10.5) AB3(-8.5,-10.5) AB4(-7.5,-10.5) AB5(-6.5,-10.5) AB6(-5.5,-10.5) AB7(-4.5,-10.5) AB8(-3.5,-10.5) AB9(-2.5,-10.5) AB10(-1.5,-10.5) AB11(-0.5,-10.5) AB12(0.5,-10.5) AB13(1.5,-10.5) AB14(2.5,-10.5) AB15(3.5,-10.5) AB16(4.5,-10.5) AB17(5.5,-10.5) AB18(6.5,-10.5) AB19(7.5,-10.5) AB20(8.5,-10.5) AB21(9.5,-10.5) AB22(10.5,-10.5) B1(-10.5,9.5) B2(-9.5,9.5) B3(-8.5,9.5) B4(-7.5,9.5) B5(-6.5,9.5) B6(-5.5,9.5) B7(-4.5,9.5) B8(-3.5,9.5) B9(-2.5,9.5) B10(-1.5,9.5) B11(-0.5,9.5) B12(0.5,9.5) B13(1.5,9.5) B14(2.5,9.5) B15(3.5,9.5) B16(4.5,9.5) B17(5.5,9.5) B18(6.5,9.5) B19(7.5,9.5) B20(8.5,9.5) B21(9.5,9.5) B22(10.5,9.5) C1(-10.5,8.5) C2(-9.5,8.5) C3(-8.5,8.5) C4(-7.5,8.5) C5(-6.5,8.5) C6(-5.5,8.5) C7(-4.5,8.5) C8(-3.5,8.5) C9(-2.5,8.5) C10(-1.5,8.5) C11(-0.5,8.5) C12(0.5,8.5) C13(1.5,8.5) C14(2.5,8.5) C15(3.5,8.5) C16(4.5,8.5) C17(5.5,8.5) C18(6.5,8.5) C19(7.5,8.5) C20(8.5,8.5) C21(9.5,8.5) C22(10.5,8.5) D1(-10.5,7.5) D2(-9.5,7.5) D3(-8.5,7.5) D4(-7.5,7.5) D5(-6.5,7.5) D6(-5.5,7.5) D7(-4.5,7.5) D8(-3.5,7.5) D9(-2.5,7.5) D10(-1.5,7.5) D11(-0.5,7.5) D12(0.5,7.5) D13(1.5,7.5) D14(2.5,7.5) D15(3.5,7.5) D16(4.5,7.5) D17(5.5,7.5) D18(6.5,7.5) D19(7.5,7.5) D20(8.5,7.5) D21(9.5,7.5) D22(10.5,7.5) E1(-10.5,6.5) E2(-9.5,6.5) E3(-8.5,6.5) E4(-7.5,6.5) E5(-6.5,6.5) E6(-5.5,6.5) E7(-4.5,6.5) E8(-3.5,6.5) E9(-2.5,6.5) E10(-1.5,6.5) E11(-0.5,6.5) E12(0.5,6.5) E13(1.5,6.5) E14(2.5,6.5) E15(3.5,6.5) E16(4.5,6.5) E17(5.5,6.5) E18(6.5,6.5) E19(7.5,6.5) E20(8.5,6.5) E21(9.5,6.5) E22(10.5,6.5) F1(-10.5,5.5) F2(-9.5,5.5) F3(-8.5,5.5) F4(-7.5,5.5) F5(-6.5,5.5) F6(-5.5,5.5) F7(-4.5,5.5) F8(-3.5,5.5) F9(-2.5,5.5) F10(-1.5,5.5) F11(-0.5,5.5) F12(0.5,5.5) F13(1.5,5.5) F14(2.5,5.5) F15(3.5,5.5) F16(4.5,5.5) F17(5.5,5.5) F18(6.5,5.5) F19(7.5,5.5) F20(8.5,5.5) F21(9.5,5.5) F22(10.5,5.5) G1(-10.5,4.5) G2(-9.5,4.5) G3(-8.5,4.5) G4(-7.5,4.5) G5(-6.5,4.5) G6(-5.5,4.5) G7(-4.5,4.5) G8(-3.5,4.5) G9(-2.5,4.5) G10(-1.5,4.5) G11(-0.5,4.5) G12(0.5,4.5) G13(1.5,4.5) G14(2.5,4.5) G15(3.5,4.5) G16(4.5,4.5) G17(5.5,4.5) G18(6.5,4.5) G19(7.5,4.5) G20(8.5,4.5) G21(9.5,4.5) G22(10.5,4.5) H1(-10.5,3.5) H2(-9.5,3.5) H3(-8.5,3.5) H4(-7.5,3.5) H5(-6.5,3.5) H6(-5.5,3.5) H7(-4.5,3.5) H8(-3.5,3.5) H9(-2.5,3.5) H10(-1.5,3.5) H11(-0.5,3.5) H12(0.5,3.5) H13(1.5,3.5) H14(2.5,3.5) H15(3.5,3.5) H16(4.5,3.5) H17(5.5,3.5) H18(6.5,3.5) H19(7.5,3.5) H20(8.5,3.5) H21(9.5,3.5) H22(10.5,3.5) J1(-10.5,2.5) J2(-9.5,2.5) J3(-8.5,2.5) J4(-7.5,2.5) J5(-6.5,2.5) J6(-5.5,2.5) J7(-4.5,2.5) J8(-3.5,2.5) J9(-2.5,2.5) J10(-1.5,2.5) J11(-0.5,2.5) J12(0.5,2.5) J13(1.5,2.5) J14(2.5,2.5) J15(3.5,2.5) J16(4.5,2.5) J17(5.5,2.5) J18(6.5,2.5) J19(7.5,2.5) J20(8.5,2.5) J21(9.5,2.5) J22(10.5,2.5) K1(-10.5,1.5) K2(-9.5,1.5) K3(-8.5,1.5) K4(-7.5,1.5) K5(-6.5,1.5) K6(-5.5,1.5) K7(-4.5,1.5) K8(-3.5,1.5) K9(-2.5,1.5) K10(-1.5,1.5) K11(-0.5,1.5) K12(0.5,1.5) K13(1.5,1.5) K14(2.5,1.5) K15(3.5,1.5) K16(4.5,1.5) K17(5.5,1.5) K18(6.5,1.5) K19(7.5,1.5) K20(8.5,1.5) K21(9.5,1.5) K22(10.5,1.5) L1(-10.5,0.5) L2(-9.5,0.5) L3(-8.5,0.5) L4(-7.5,0.5) L5(-6.5,0.5) L6(-5.5,0.5) L7(-4.5,0.5) L8(-3.5,0.5) L9(-2.5,0.5) L10(-1.5,0.5) L11(-0.5,0.5) L12(0.5,0.5) L13(1.5,0.5) L14(2.5,0.5) L15(3.5,0.5) L16(4.5,0.5) L17(5.5,0.5) L18(6.5,0.5) L19(7.5,0.5) L20(8.5,0.5) L21(9.5,0.5) L22(10.5,0.5) M1(-10.5,-0.5) M2(-9.5,-0.5) M3(-8.5,-0.5) M4(-7.5,-0.5) M5(-6.5,-0.5) M6(-5.5,-0.5) M7(-4.5,-0.5) M8(-3.5,-0.5) M9(-2.5,-0.5) M10(-1.5,-0.5) M11(-0.5,-0.5) M12(0.5,-0.5) M13(1.5,-0.5) M14(2.5,-0.5) M15(3.5,-0.5) M16(4.5,-0.5) M17(5.5,-0.5) M18(6.5,-0.5) M19(7.5,-0.5) M20(8.5,-0.5) M21(9.5,-0.5) M22(10.5,-0.5) N1(-10.5,-1.5) N2(-9.5,-1.5) N3(-8.5,-1.5) N4(-7.5,-1.5) N5(-6.5,-1.5) N6(-5.5,-1.5) N7(-4.5,-1.5) N8(-3.5,-1.5) N9(-2.5,-1.5) N10(-1.5,-1.5) N11(-0.5,-1.5) N12(0.5,-1.5) N13(1.5,-1.5) N14(2.5,-1.5) N15(3.5,-1.5) N16(4.5,-1.5) N17(5.5,-1.5) N18(6.5,-1.5) N19(7.5,-1.5) N20(8.5,-1.5) N21(9.5,-1.5) N22(10.5,-1.5) P1(-10.5,-2.5) P2(-9.5,-2.5) P3(-8.5,-2.5) P4(-7.5,-2.5) P5(-6.5,-2.5) P6(-5.5,-2.5) P7(-4.5,-2.5) P8(-3.5,-2.5) P9(-2.5,-2.5) P10(-1.5,-2.5) P11(-0.5,-2.5) P12(0.5,-2.5) P13(1.5,-2.5) P14(2.5,-2.5) P15(3.5,-2.5) P16(4.5,-2.5) P17(5.5,-2.5) P18(6.5,-2.5) P19(7.5,-2.5) P20(8.5,-2.5) P21(9.5,-2.5) P22(10.5,-2.5) R1(-10.5,-3.5) R2(-9.5,-3.5) R3(-8.5,-3.5) R4(-7.5,-3.5) R5(-6.5,-3.5) R6(-5.5,-3.5) R7(-4.5,-3.5) R8(-3.5,-3.5) R9(-2.5,-3.5) R10(-1.5,-3.5) R11(-0.5,-3.5) R12(0.5,-3.5) R13(1.5,-3.5) R14(2.5,-3.5) R15(3.5,-3.5) R16(4.5,-3.5) R17(5.5,-3.5) R18(6.5,-3.5) R19(7.5,-3.5) R20(8.5,-3.5) R21(9.5,-3.5) R22(10.5,-3.5) T1(-10.5,-4.5) T2(-9.5,-4.5) T3(-8.5,-4.5) T4(-7.5,-4.5) T5(-6.5,-4.5) T6(-5.5,-4.5) T7(-4.5,-4.5) T8(-3.5,-4.5) T9(-2.5,-4.5) T10(-1.5,-4.5) T11(-0.5,-4.5) T12(0.5,-4.5) T13(1.5,-4.5) T14(2.5,-4.5) T15(3.5,-4.5) T16(4.5,-4.5) T17(5.5,-4.5) T18(6.5,-4.5) T19(7.5,-4.5) T20(8.5,-4.5) T21(9.5,-4.5) T22(10.5,-4.5) U1(-10.5,-5.5) U2(-9.5,-5.5) U3(-8.5,-5.5) U4(-7.5,-5.5) U5(-6.5,-5.5) U6(-5.5,-5.5) U7(-4.5,-5.5) U8(-3.5,-5.5) U9(-2.5,-5.5) U10(-1.5,-5.5) U11(-0.5,-5.5) U12(0.5,-5.5) U13(1.5,-5.5) U14(2.5,-5.5) U15(3.5,-5.5) U16(4.5,-5.5) U17(5.5,-5.5) U18(6.5,-5.5) U19(7.5,-5.5) U20(8.5,-5.5) U21(9.5,-5.5) U22(10.5,-5.5) V1(-10.5,-6.5) V2(-9.5,-6.5) V3(-8.5,-6.5) V4(-7.5,-6.5) V5(-6.5,-6.5) V6(-5.5,-6.5) V7(-4.5,-6.5) V8(-3.5,-6.5) V9(-2.5,-6.5) V10(-1.5,-6.5) V11(-0.5,-6.5) V12(0.5,-6.5) V13(1.5,-6.5) V14(2.5,-6.5) V15(3.5,-6.5) V16(4.5,-6.5) V17(5.5,-6.5) V18(6.5,-6.5) V19(7.5,-6.5) V20(8.5,-6.5) V21(9.5,-6.5) V22(10.5,-6.5) W1(-10.5,-7.5) W2(-9.5,-7.5) W3(-8.5,-7.5) W4(-7.5,-7.5) W5(-6.5,-7.5) W6(-5.5,-7.5) W7(-4.5,-7.5) W8(-3.5,-7.5) W9(-2.5,-7.5) W10(-1.5,-7.5) W11(-0.5,-7.5) W12(0.5,-7.5) W13(1.5,-7.5) W14(2.5,-7.5) W15(3.5,-7.5) W16(4.5,-7.5) W17(5.5,-7.5) W18(6.5,-7.5) W19(7.5,-7.5) W20(8.5,-7.5) W21(9.5,-7.5) W22(10.5,-7.5) Y1(-10.5,-8.5) Y2(-9.5,-8.5) Y3(-8.5,-8.5) Y4(-7.5,-8.5) Y5(-6.5,-8.5) Y6(-5.5,-8.5) Y7(-4.5,-8.5) Y8(-3.5,-8.5) Y9(-2.5,-8.5) Y10(-1.5,-8.5) Y11(-0.5,-8.5) Y12(0.5,-8.5) Y13(1.5,-8.5) Y14(2.5,-8.5) Y15(3.5,-8.5) Y16(4.5,-8.5) Y17(5.5,-8.5) Y18(6.5,-8.5) Y19(7.5,-8.5) Y20(8.5,-8.5) Y21(9.5,-8.5) Y22(10.5,-8.5)